# KiCad board GNSS GPS L86-M33 breakout with easyC_panel.kicad_pcb (continued)
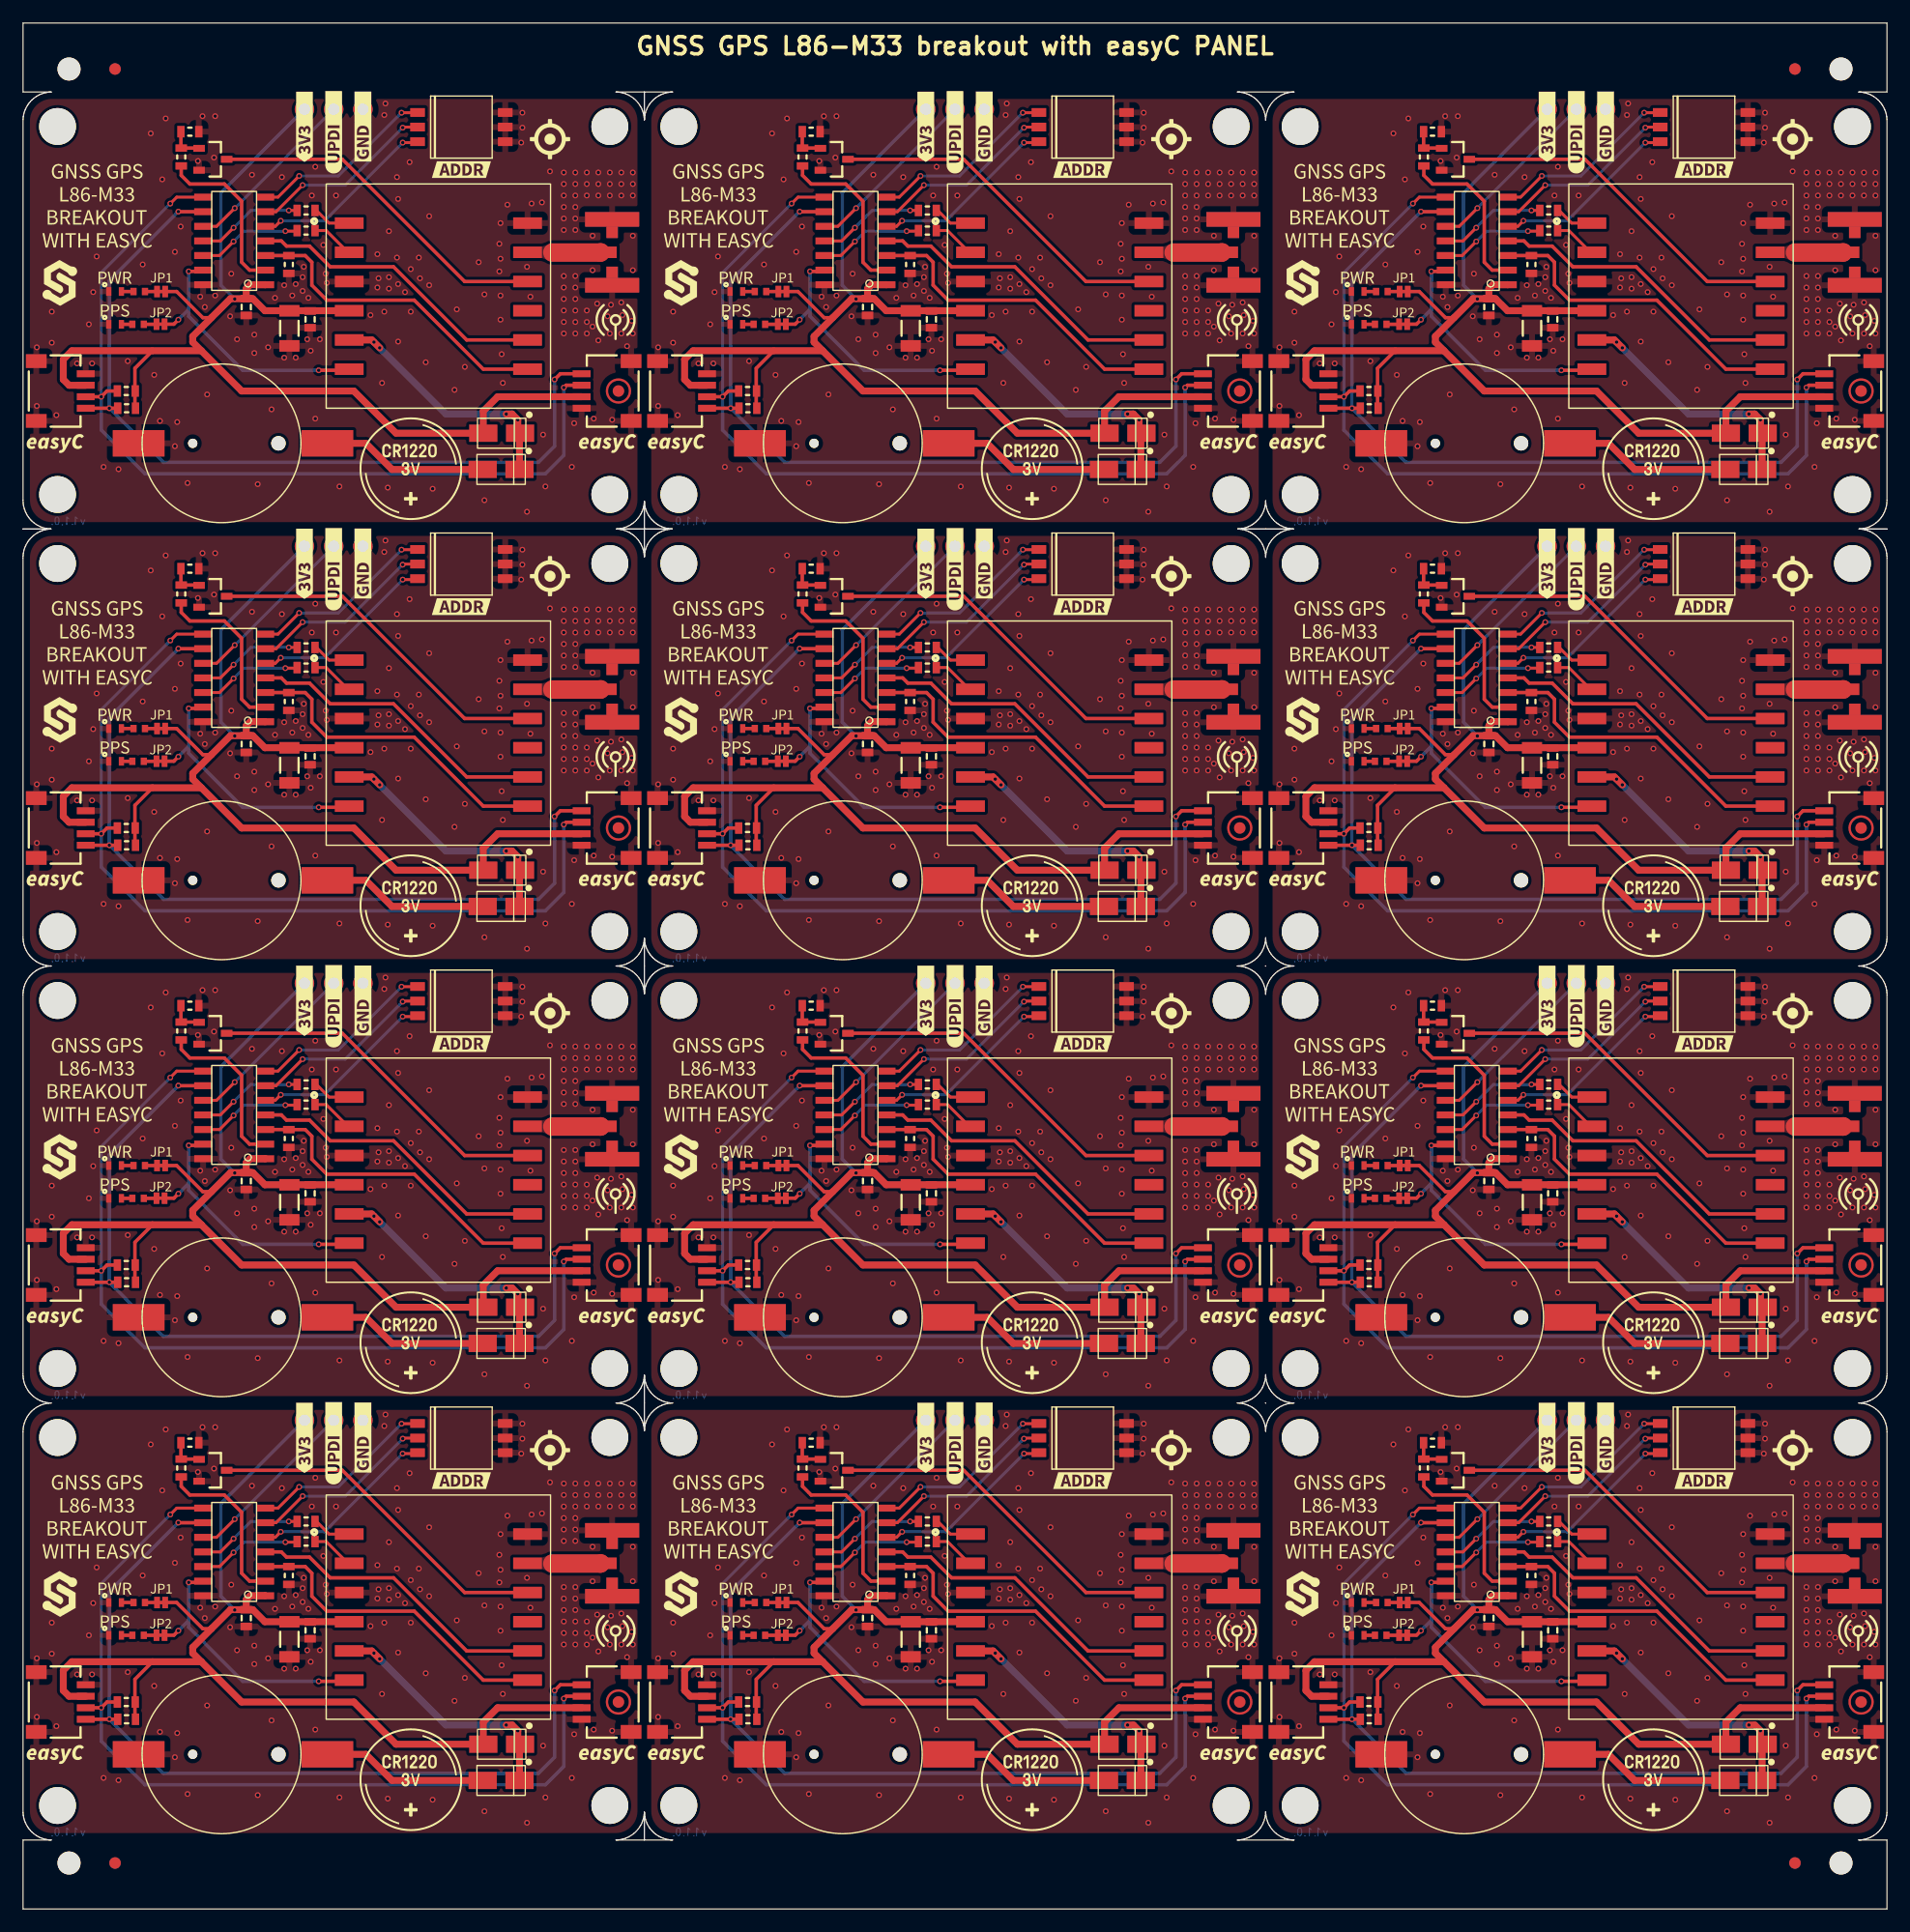
[diagram p0: board, top side]
## Routing (per net, layer and track width the routed paths; a pad name or vN(x,y) marks a point on that pad's centre or on a via; arc(x,y) is an arc through that point) (continued)
Board_8-ADD1: length 16.3
  Top w0.254: v1(140.9,80.2) 142.27,80.2 K8.1 ; U5#11.7 130.16,72.86 v1(132,74.7)
  Bottom w0.254: v1(140.9,80.2) 135.4,74.7 v1(132,74.7)
Board_8-ADD2: length 16.3
  Top w0.254: v1(132.3,73.9) 129.99,71.59 U5#11.6 ; v1(141,78.9) 141.05,78.95 K8.3
  Bottom w0.254: v1(141,78.9) 136,73.9 v1(132.3,73.9)
Board_8-ADD3: length 16.3
  Top w0.254: U5#11.5 129.92,70.32 v1(130.4,70.8) ; K8.5 142.21,77.6 v1(141,77.6)
  Bottom w0.254: v1(141,77.6) 134.2,70.8 v1(130.4,70.8)
Board_8-ANT: length 4.2
  Top w1.6: 154,68.04 158.18,68.04 K1#4.1
Board_8-ANT_DET: length 26.4
  Top w0.3: U5#11.4 130.45,69.05 130.9,68.6 132.9,68.6 134.7,66.8 140.2,66.8 146.56,60.44 U2#8.8
Board_8-FORCE_ON: length 28.1
  Top w0.3: U2#8.7 148,57.9 142,63.9 134.4,63.9 133.1,65.2 133.1,67.2 132.53,67.78 R5#8.1 131.1,67.78 U5#11.3
Board_8-GND:
  vias: v1(109.2,59.8) v1(109.2,54.7) v1(110.5,62.9) v1(110.5,60.2) v1(110.9,53.9) v1(112.7,58.4) v1(113.73,61.8) v1(114,58.4) v1(114.1,64.6) v1(114.4,67.7) v1(115,49.4) v1(116.3,49.2) v1(117.1,58.6) v1(118.4,67) v1(119.1,78.4) v1(119.4,57.4) v1(119.9,53.4) v1(120.1,74.4) v1(120.4,79.7) v1(121.2,68.1) v1(121.2,51.2) v1(121.4,53.3) v1(121.7,70.3) v1(122.3,48) v1(123.2,76) v1(123.4,64.2) v1(123.6,79.9) v1(123.8,63.3) v1(124,55.7) v1(124.6,76.3) v1(124.7,79.9) v1(124.7,64.3) v1(126,62.5) v1(126.1,66.2) v1(126.6,60.5) v1(127.9,74.8) v1(128.1,60.9) v1(128.1,59.3) v1(128.4,47.9) v1(129.3,59.8) v1(129.6,54.4) v1(129.9,64.1) v1(130.5,74.6) v1(130.7,65.2) v1(130.7,58.9) v1(131.4,64.3) v1(131.7,65.3) v1(131.7,58.9) v1(132.3,65.9) v1(132.3,64.7) v1(132.4,66.8) v1(132.7,60.5) v1(132.8,64.1) v1(133,59.5) v1(133.1,73) v1(133.4,75.5) v1(133.4,53.6) v1(133.8,60.5) v1(134.1,68.7) v1(134.3,66.2) v1(134.4,65.4) v1(135.2,73) v1(135.5,47.7) v1(138.2,62.6) v1(138.8,67.9) v1(138.8,65) v1(138.9,65.8) v1(139.2,56.7) v1(139.4,80) v1(139.4,62.9) v1(139.5,81) v1(139.7,47.6) v1(139.8,69.9) v1(139.8,65.9) v1(139.8,64.9) v1(140.5,74.6) v1(140.5,67.6) v1(140.6,72.7) v1(140.6,65.3) v1(140.6,60.3) v1(141.2,64.6) v1(141.6,75.9) v1(141.7,66.6) v1(141.7,62.9) v1(142.4,67.6) v1(142.5,65.8) v1(143,58.5) v1(143.3,71.2) v1(143.3,65.2) v1(143.6,47.5) v1(145.5,56.1) v1(145.7,63.1) v1(146.4,58.1) v1(147.6,67.2) v1(148.1,64.4) v1(148.1,46.5) v1(149.4,68.8) v1(149.4,66.4) v1(149.5,70.6) v1(149.5,67.5) v1(149.5,64.3) v1(149.5,62.2) v1(149.6,59.2) v1(149.7,56.7) v1(150.1,72.2) v1(151.3,77.6) v1(151.4,80.2) v1(151.4,78.9) v1(151.8,66.8) v1(151.8,45.5) v1(152.1,64.2) v1(152.2,72.3) v1(153.1,72.4) v1(153.2,52.2) v1(153.4,47.7) v1(153.8,75.1) v1(155,75) v1(155,74) v1(155,73) v1(155,72) v1(155,71) v1(155,70) v1(155,66) v1(155,65) v1(155,64) v1(155,63) v1(155,62) v1(155,61) v1(155.7,49.4) v1(155.9,53.2) v1(156,75) v1(156,74) v1(156,73) v1(156,72) v1(156,71) v1(156,70) v1(156,66) v1(156,65) v1(156,64) v1(156,63) v1(156,62) v1(156,61) v1(157,75) v1(157,74) v1(157,73) v1(157,63) v1(157,62) v1(157,61) v1(157.5,69.5) v1(157.5,66.5) v1(157.5,61.6) v1(157.6,53.6) v1(157.9,63.6) v1(158,75) v1(158,74) v1(158,73) v1(158,60.4) v1(158.8,62.5) v1(159,75) v1(159,74) v1(159,73) v1(159,61) v1(159.1,63.5) v1(159.2,53.5) v1(160,75) v1(160,74) v1(160,73) v1(160,63.7) v1(160,61) v1(160.1,62.6) v1(160.5,59.9) v1(160.9,62.1) v1(161,75) v1(161,74) v1(161,73) v1(161,69.5) v1(161,66.5) v1(161,61)
Board_8-Net-(D2-Pad1): length 14.4
  Top w0.6: K3#9.1+ 137.8,51.45 140.07,49.18 D2#6.1
Board_8-Net-(D3-Pad1): length 1
  Top w0.3: D3#2.1 R9#4.2
Board_8-Net-(D4-Pad1): length 0.9
  Top w0.3: D4#2.1 R10#7.2
Board_8-Net-(JP2-Pad2): length 1.1
  Top w0.3: R9#4.1 JP2#3.2
Board_8-Net-(JP4-Pad2): length 1.1
  Top w0.3: JP4#5.2 119.59,61.8 R10#7.1
Board_8-Net-(Q1-Pad1): length 3
  Top w0.3: Q1#11.1 123.28,77.13 R2#8.2 121.73,77.15 R6#12.1
Board_8-Net-(Q1-Pad3): length 30.6
  Top w0.3: Q1#11.3 135.75,76.15 146.38,65.52 U2#8.10
Board_8-Net-(R1-Pad1): length 3.8
  Top w0.254: R1#7.1 134.35,69.95 136.24,68.06 U2#8.2
Board_8-Net-(R3-Pad1): length 3.4
  Top w0.254: U2#8.1 134.6,70.6 133.5,71.7 R3#11.1
Board_8-PPS: length 23.8
  Top w0.3: U5#11.13 123.54,66.4 v1(122.4,66.4) ; v1(133.7,57.8) 136.25,57.8 U2#8.6 ; JP4#5.1 121.11,61.81 v1(121.5,62.2)
  Bottom w0.3: 122.4,63.1 v1(122.4,66.4) ; 122.4,63.1 122.4,62.5 127.1,57.8 v1(133.7,57.8) ; 122.4,63.1 v1(121.5,62.2)
Board_8-RESET: length 14.6
  Top w0.3: U5#11.2 127.69,66.51 127,67.2 127,72.5 125.5,74 122.5,74 121.75,74.75 R2#8.1
Board_8-RXD1: length 9.1
  Top w0.254: U5#11.12 125.08,67.78 v1(126.3,69) ; v1(130.8,69.9) 131.78,69.9 R1#7.2
  Bottom w0.254: v1(126.3,69) 127.2,69.9 v1(130.8,69.9)
Board_8-SCL: length 74.1
  Top w0.3: v1(121.5,71.6) 121.51,71.59 U5#11.9 ; K5#10.1 154.7,57.5 v1(154.2,57) ; K7#2.1 v1(115.5,54.5) R7#9.1
  Bottom w0.3: v1(154.2,57) 154.2,51.2 152.8,49.8 120.2,49.8 v1(115.5,54.5) 115.5,65.6 v1(121.5,71.6)
Board_8-SDA: length 78.2
  Top w0.254: v1(120.8,72.3) 121.36,72.86 U5#11.8
  Top w0.3: R4#11.1 115.3,56 v1(114.8,55.5) K7#2.2 ; v1(155,56.3) 155.2,56.5 K5#10.2
  Bottom w0.254: v1(114.8,55.5) 114.8,66.3 v1(120.8,72.3)
  Bottom w0.3: v1(155,56.3) 155,50.4 153.4,48.8 118.6,48.8 114.8,52.6 v1(114.8,55.5)
Board_8-TXD1: length 9.3
  Top w0.254: R3#11.2 v1(131.1,71.7) ; v1(126.3,70.2) 125.15,69.05 U5#11.11
  Bottom w0.254: v1(131.1,71.7) 127.8,71.7 v1(126.3,70.2)
Board_8-UPDI: length 15.6
  Top w0.254: v1(126.4,71.9) 124.82,70.32 U5#11.10
  Bottom w0.254: v1(126.4,71.9) K6#6.2
Board_8-V_BCKP: length 23.9
  Top w0.6: U2#8.5 138.31,60.44 v1(138.5,60.25) v1(139,59.75) ; v1(150,54) 150.5,54 v1(151,53.5) 151,52.53 D1#7.2 151.15,52.28 D2#6.2
  Bottom w0.6: v1(151,53.5) 150.5,54 v1(150,54) 144.75,54 v1(139,59.75) v1(138.5,60.25)
Board_9-3V3: length 104.9
  Top w0.3: 11.25,21.5 9.73,19.98 9.73,16.55 9.75,16.53 ; JP2#2.1 13.35,26.65 15.63,24.38 16.38,24.38
  Top w0.6: U5#5.1 21.04,27.25 19.75,27.25 19.4,26.9 C5#9.1 ; 15.5,21.5 4.25,21.5 3.5,20.75 3.5,19 4,18.5 K7#12.3 ; 15.5,21.5 19,18 28.75,18 32.42,14.33 D1#8.1 40,16.25 41.25,17.5 K5#6.3 ; 15.5,21.5 14.75,22.25 14.75,22.75 18.03,26.03 C5#9.1 ; C5#9.1 19.97,26.03 21.02,24.98 U2#6.4
  Bottom w0.3: v1(18.4,26) 17.2,27.2 17.2,35.24 K6#11.1
Board_9-ADD1: length 16.3
  Top w0.254: K8#6.1 34.27,42.2 v1(32.9,42.2) ; U5#5.7 22.16,34.86 v1(24,36.7)
  Bottom w0.254: v1(24,36.7) 27.4,36.7 v1(32.9,42.2)
Board_9-ADD2: length 16.3
  Top w0.254: v1(24.3,35.9) 21.99,33.59 U5#5.6 ; K8#6.3 33.05,40.95 v1(33,40.9)
  Bottom w0.254: v1(24.3,35.9) 28,35.9 v1(33,40.9)
Board_9-ADD3: length 16.3
  Top w0.254: U5#5.5 21.92,32.32 v1(22.4,32.8) ; K8#6.5 34.21,39.6 v1(33,39.6)
  Bottom w0.254: v1(22.4,32.8) 26.2,32.8 v1(33,39.6)
Board_9-ANT: length 4.2
  Top w1.6: K1#9.1 50.18,30.04 46,30.04
Board_9-ANT_DET: length 26.4
  Top w0.3: U5#5.4 22.45,31.05 22.9,30.6 24.9,30.6 26.7,28.8 32.2,28.8 38.56,22.44 U2#6.8
Board_9-FORCE_ON: length 28.1
  Top w0.3: U5#5.3 23.1,29.78 R5#7.1 24.53,29.78 25.1,29.2 25.1,27.2 26.4,25.9 34,25.9 40,19.9 U2#6.7
Board_9-GND:
  vias: v1(1.2,21.8) v1(1.2,16.7) v1(2.5,24.9) v1(2.5,22.2) v1(2.9,15.9) v1(4.7,20.4) v1(5.73,23.8) v1(6,20.4) v1(6.1,26.6) v1(6.4,29.7) v1(7,11.4) v1(8.3,11.2) v1(9.1,20.6) v1(10.4,29) v1(11.1,40.4) v1(11.4,19.4) v1(11.9,15.4) v1(12.1,36.4) v1(12.4,41.7) v1(13.2,30.1) v1(13.2,13.2) v1(13.4,15.3) v1(13.7,32.3) v1(14.3,10) v1(15.2,38) v1(15.4,26.2) v1(15.6,41.9) v1(15.8,25.3) v1(16,17.7) v1(16.6,38.3) v1(16.7,41.9) v1(16.7,26.3) v1(18,24.5) v1(18.1,28.2) v1(18.6,22.5) v1(19.9,36.8) v1(20.1,22.9) v1(20.1,21.3) v1(20.4,9.9) v1(21.3,21.8) v1(21.6,16.4) v1(21.9,26.1) v1(22.5,36.6) v1(22.7,27.2) v1(22.7,20.9) v1(23.4,26.3) v1(23.7,27.3) v1(23.7,20.9) v1(24.3,27.9) v1(24.3,26.7) v1(24.4,28.8) v1(24.7,22.5) v1(24.8,26.1) v1(25,21.5) v1(25.1,35) v1(25.4,37.5) v1(25.4,15.6) v1(25.8,22.5) v1(26.1,30.7) v1(26.3,28.2) v1(26.4,27.4) v1(27.2,35) v1(27.5,9.7) v1(30.2,24.6) v1(30.8,29.9) v1(30.8,27) v1(30.9,27.8) v1(31.2,18.7) v1(31.4,42) v1(31.4,24.9) v1(31.5,43) v1(31.7,9.6) v1(31.8,31.9) v1(31.8,27.9) v1(31.8,26.9) v1(32.5,36.6) v1(32.5,29.6) v1(32.6,34.7) v1(32.6,27.3) v1(32.6,22.3) v1(33.2,26.6) v1(33.6,37.9) v1(33.7,28.6) v1(33.7,24.9) v1(34.4,29.6) v1(34.5,27.8) v1(35,20.5) v1(35.3,33.2) v1(35.3,27.2) v1(35.6,9.5) v1(37.5,18.1) v1(37.7,25.1) v1(38.4,20.1) v1(39.6,29.2) v1(40.1,26.4) v1(40.1,8.5) v1(41.4,30.8) v1(41.4,28.4) v1(41.5,32.6) v1(41.5,29.5) v1(41.5,26.3) v1(41.5,24.2) v1(41.6,21.2) v1(41.7,18.7) v1(42.1,34.2) v1(43.3,39.6) v1(43.4,42.2) v1(43.4,40.9) v1(43.8,28.8) v1(43.8,7.5) v1(44.1,26.2) v1(44.2,34.3) v1(45.1,34.4) v1(45.2,14.2) v1(45.4,9.7) v1(45.8,37.1) v1(47,37) v1(47,36) v1(47,35) v1(47,34) v1(47,33) v1(47,32) v1(47,28) v1(47,27) v1(47,26) v1(47,25) v1(47,24) v1(47,23) v1(47.7,11.4) v1(47.9,15.2) v1(48,37) v1(48,36) v1(48,35) v1(48,34) v1(48,33) v1(48,32) v1(48,28) v1(48,27) v1(48,26) v1(48,25) v1(48,24) v1(48,23) v1(49,37) v1(49,36) v1(49,35) v1(49,25) v1(49,24) v1(49,23) v1(49.5,31.5) v1(49.5,28.5) v1(49.5,23.6) v1(49.6,15.6) v1(49.9,25.6) v1(50,37) v1(50,36) v1(50,35) v1(50,22.4) v1(50.8,24.5) v1(51,37) v1(51,36) v1(51,35) v1(51,23) v1(51.1,25.5) v1(51.2,15.5) v1(52,37) v1(52,36) v1(52,35) v1(52,25.7) v1(52,23) v1(52.1,24.6) v1(52.5,21.9) v1(52.9,24.1) v1(53,37) v1(53,36) v1(53,35) v1(53,31.5) v1(53,28.5) v1(53,23)
Board_9-Net-(D2-Pad1): length 14.4
  Top w0.6: K3#8.1+ 29.8,13.45 32.07,11.18 D2#12.1
Board_9-Net-(D3-Pad1): length 1.1
  Top w0.3: D3#9.1 R9.2
Board_9-Net-(D4-Pad1): length 0.9
  Top w0.3: D4#5.1 R10#8.2
Board_9-Net-(JP2-Pad2): length 1
  Top w0.3: R9.1 JP2#2.2
Board_9-Net-(JP4-Pad2): length 1.1
  Top w0.3: JP4#12.2 11.59,23.8 R10#8.1
Board_9-Net-(Q1-Pad1): length 3
  Top w0.3: R6.1 13.73,39.15 R2#12.2 15.28,39.12 Q1#7.1
Board_9-Net-(Q1-Pad3): length 30.6
  Top w0.3: Q1#7.3 27.75,38.15 38.38,27.52 U2#6.10
Board_9-Net-(R1-Pad1): length 3.8
  Top w0.254: R1#3.1 26.35,31.95 28.24,30.06 U2#6.2
Board_9-Net-(R3-Pad1): length 3.4
  Top w0.254: U2#6.1 26.6,32.6 25.5,33.7 R3#7.1
Board_9-PPS: length 23.8
  Top w0.3: v1(25.7,19.8) 28.25,19.8 U2#6.6 ; v1(13.5,24.2) 13.11,23.81 JP4#12.1 ; U5#5.13 15.54,28.4 v1(14.4,28.4)
  Bottom w0.3: 14.4,25.1 14.4,24.5 19.1,19.8 v1(25.7,19.8) ; 14.4,25.1 v1(13.5,24.2) ; 14.4,25.1 v1(14.4,28.4)
Board_9-RESET: length 14.6
  Top w0.3: R2#12.1 13.75,36.75 14.5,36 17.5,36 19,34.5 19,29.2 19.69,28.51 U5#5.2
Board_9-RXD1: length 9.1
  Top w0.254: v1(18.3,31) 17.08,29.78 U5#5.12 ; v1(22.8,31.9) 23.78,31.9 R1#3.2
  Bottom w0.254: v1(18.3,31) 19.2,31.9 v1(22.8,31.9)
Board_9-SCL: length 74.1
  Top w0.3: U5#5.9 13.51,33.59 v1(13.5,33.6) ; v1(46.2,19) 46.7,19.5 K5#6.1 ; K7#12.1 v1(7.5,16.5) R7#5.1
  Bottom w0.3: v1(13.5,33.6) 7.5,27.6 v1(7.5,16.5) 12.2,11.8 44.8,11.8 46.2,13.2 v1(46.2,19)
Board_9-SDA: length 78.2
  Top w0.254: v1(12.8,34.3) 13.36,34.86 U5#5.8
  Top w0.3: K7#12.2 v1(6.8,17.5) 7.3,18 R4#7.1 ; v1(47,18.3) 47.2,18.5 K5#6.2
  Bottom w0.254: v1(6.8,17.5) 6.8,28.3 v1(12.8,34.3)
  Bottom w0.3: v1(47,18.3) 47,12.4 45.4,10.8 10.6,10.8 6.8,14.6 v1(6.8,17.5)
Board_9-TXD1: length 9.3
  Top w0.254: U5#5.11 17.15,31.05 v1(18.3,32.2) ; R3#7.2 v1(23.1,33.7)
  Bottom w0.254: v1(23.1,33.7) 19.8,33.7 v1(18.3,32.2)
Board_9-UPDI: length 15.6
  Top w0.254: U5#5.10 16.82,32.32 v1(18.4,33.9)
  Bottom w0.254: v1(18.4,33.9) K6#11.2
Board_9-V_BCKP: length 23.9
  Top w0.6: v1(42,16) 42.5,16 v1(43,15.5) 43,14.53 D1#8.2 43.15,14.28 D2#12.2 ; U2#6.5 30.31,22.44 v1(30.5,22.25) v1(31,21.75)
  Bottom w0.6: v1(30.5,22.25) v1(31,21.75) 36.75,16 v1(42,16) 42.5,16 v1(43,15.5)
Board_10-3V3: length 104.9
  Top w0.3: JP2#12.1 67.35,26.65 69.63,24.38 70.38,24.38 ; 65.25,21.5 63.73,19.98 63.73,16.55 63.75,16.53
  Top w0.6: U5#8.1 75.04,27.25 73.75,27.25 73.4,26.9 C5.1 ; K7#10.3 58,18.5 57.5,19 57.5,20.75 58.25,21.5 69.5,21.5 ; U2#12.4 75.02,24.98 73.97,26.03 C5.1 ; C5.1 72.03,26.03 68.75,22.75 68.75,22.25 69.5,21.5 ; 69.5,21.5 73,18 82.75,18 86.42,14.33 D1#12.1 94,16.25 95.25,17.5 K5#4.3
  Bottom w0.3: v1(72.4,26) 71.2,27.2 71.2,35.24 K6#12.1
Board_10-ADD1: length 16.3
  Top w0.254: U5#8.7 76.16,34.86 v1(78,36.7) ; v1(86.9,42.2) 88.27,42.2 K8#12.1
  Bottom w0.254: v1(78,36.7) 81.4,36.7 v1(86.9,42.2)
Board_10-ADD2: length 16.3
  Top w0.254: U5#8.6 75.99,33.59 v1(78.3,35.9) ; v1(87,40.9) 87.05,40.95 K8#12.3
  Bottom w0.254: v1(78.3,35.9) 82,35.9 v1(87,40.9)
Board_10-ADD3: length 16.3
  Top w0.254: v1(87,39.6) 88.21,39.6 K8#12.5 ; v1(76.4,32.8) 75.92,32.32 U5#8.5
  Bottom w0.254: v1(87,39.6) 80.2,32.8 v1(76.4,32.8)
Board_10-ANT: length 4.2
  Top w1.6: 100,30.04 104.18,30.04 K1#7.1
Board_10-ANT_DET: length 26.4
  Top w0.3: U5#8.4 76.45,31.05 76.9,30.6 78.9,30.6 80.7,28.8 86.2,28.8 92.56,22.44 U2#12.8
Board_10-FORCE_ON: length 28.1
  Top w0.3: U5#8.3 77.1,29.78 R5#9.1 78.53,29.78 79.1,29.2 79.1,27.2 80.4,25.9 88,25.9 94,19.9 U2#12.7
Board_10-GND:
  vias: v1(55.2,21.8) v1(55.2,16.7) v1(56.5,24.9) v1(56.5,22.2) v1(56.9,15.9) v1(58.7,20.4) v1(59.73,23.8) v1(60,20.4) v1(60.1,26.6) v1(60.4,29.7) v1(61,11.4) v1(62.3,11.2) v1(63.1,20.6) v1(64.4,29) v1(65.1,40.4) v1(65.4,19.4) v1(65.9,15.4) v1(66.1,36.4) v1(66.4,41.7) v1(67.2,30.1) v1(67.2,13.2) v1(67.4,15.3) v1(67.7,32.3) v1(68.3,10) v1(69.2,38) v1(69.4,26.2) v1(69.6,41.9) v1(69.8,25.3) v1(70,17.7) v1(70.6,38.3) v1(70.7,41.9) v1(70.7,26.3) v1(72,24.5) v1(72.1,28.2) v1(72.6,22.5) v1(73.9,36.8) v1(74.1,22.9) v1(74.1,21.3) v1(74.4,9.9) v1(75.3,21.8) v1(75.6,16.4) v1(75.9,26.1) v1(76.5,36.6) v1(76.7,27.2) v1(76.7,20.9) v1(77.4,26.3) v1(77.7,27.3) v1(77.7,20.9) v1(78.3,27.9) v1(78.3,26.7) v1(78.4,28.8) v1(78.7,22.5) v1(78.8,26.1) v1(79,21.5) v1(79.1,35) v1(79.4,37.5) v1(79.4,15.6) v1(79.8,22.5) v1(80.1,30.7) v1(80.3,28.2) v1(80.4,27.4) v1(81.2,35) v1(81.5,9.7) v1(84.2,24.6) v1(84.8,29.9) v1(84.8,27) v1(84.9,27.8) v1(85.2,18.7) v1(85.4,42) v1(85.4,24.9) v1(85.5,43) v1(85.7,9.6) v1(85.8,31.9) v1(85.8,27.9) v1(85.8,26.9) v1(86.5,36.6) v1(86.5,29.6) v1(86.6,34.7) v1(86.6,27.3) v1(86.6,22.3) v1(87.2,26.6) v1(87.6,37.9) v1(87.7,28.6) v1(87.7,24.9) v1(88.4,29.6) v1(88.5,27.8) v1(89,20.5) v1(89.3,33.2) v1(89.3,27.2) v1(89.6,9.5) v1(91.5,18.1) v1(91.7,25.1) v1(92.4,20.1) v1(93.6,29.2) v1(94.1,26.4) v1(94.1,8.5) v1(95.4,30.8) v1(95.4,28.4) v1(95.5,32.6) v1(95.5,29.5) v1(95.5,26.3) v1(95.5,24.2) v1(95.6,21.2) v1(95.7,18.7) v1(96.1,34.2) v1(97.3,39.6) v1(97.4,42.2) v1(97.4,40.9) v1(97.8,28.8) v1(97.8,7.5) v1(98.1,26.2) v1(98.2,34.3) v1(99.1,34.4) v1(99.2,14.2) v1(99.4,9.7) v1(99.8,37.1) v1(101,37) v1(101,36) v1(101,35) v1(101,34) v1(101,33) v1(101,32) v1(101,28) v1(101,27) v1(101,26) v1(101,25) v1(101,24) v1(101,23) v1(101.7,11.4) v1(101.9,15.2) v1(102,37) v1(102,36) v1(102,35) v1(102,34) v1(102,33) v1(102,32) v1(102,28) v1(102,27) v1(102,26) v1(102,25) v1(102,24) v1(102,23) v1(103,37) v1(103,36) v1(103,35) v1(103,25) v1(103,24) v1(103,23) v1(103.5,31.5) v1(103.5,28.5) v1(103.5,23.6) v1(103.6,15.6) v1(103.9,25.6) v1(104,37) v1(104,36) v1(104,35) v1(104,22.4) v1(104.8,24.5) v1(105,37) v1(105,36) v1(105,35) v1(105,23) v1(105.1,25.5) v1(105.2,15.5) v1(106,37) v1(106,36) v1(106,35) v1(106,25.7) v1(106,23) v1(106.1,24.6) v1(106.5,21.9) v1(106.9,24.1) v1(107,37) v1(107,36) v1(107,35) v1(107,31.5) v1(107,28.5) v1(107,23)
Board_10-Net-(D2-Pad1): length 14.4
  Top w0.6: D2#5.1 86.07,11.18 83.8,13.45 K3#5.1+
Board_10-Net-(D3-Pad1): length 1
  Top w0.3: D3#10.1 R9#10.2
Board_10-Net-(D4-Pad1): length 1
  Top w0.3: D4#10.1 R10#6.2
Board_10-Net-(JP2-Pad2): length 1
  Top w0.3: R9#10.1 JP2#12.2
Board_10-Net-(JP4-Pad2): length 1.1
  Top w0.3: R10#6.1 65.59,23.8 JP4#4.2
Board_10-Net-(Q1-Pad1): length 3
  Top w0.3: Q1#9.1 69.28,39.12 R2#4.2 67.73,39.15 R6#6.1
Board_10-Net-(Q1-Pad3): length 30.6
  Top w0.3: U2#12.10 92.38,27.52 81.75,38.15 Q1#9.3
Board_10-Net-(R1-Pad1): length 3.8
  Top w0.254: R1#4.1 80.35,31.95 82.24,30.06 U2#12.2
Board_10-Net-(R3-Pad1): length 3.4
  Top w0.254: U2#12.1 80.6,32.6 79.5,33.7 R3#3.1
Board_10-PPS: length 23.8
  Top w0.3: U2#12.6 82.25,19.8 v1(79.7,19.8) ; v1(68.4,28.4) 69.54,28.4 U5#8.13 ; JP4#4.1 67.11,23.81 v1(67.5,24.2)
  Bottom w0.3: 68.4,25.1 68.4,24.5 73.1,19.8 v1(79.7,19.8) ; 68.4,25.1 v1(68.4,28.4) ; 68.4,25.1 v1(67.5,24.2)
Board_10-RESET: length 14.6
  Top w0.3: U5#8.2 73.69,28.51 73,29.2 73,34.5 71.5,36 68.5,36 67.75,36.75 R2#4.1
Board_10-RXD1: length 9.1
  Top w0.254: v1(76.8,31.9) 77.78,31.9 R1#4.2 ; v1(72.3,31) 71.08,29.78 U5#8.12
  Bottom w0.254: v1(72.3,31) 73.2,31.9 v1(76.8,31.9)
Board_10-SCL: length 74.1
  Top w0.3: v1(100.2,19) 100.7,19.5 K5#4.1 ; v1(67.5,33.6) 67.51,33.59 U5#8.9 ; R7#2.1 v1(61.5,16.5) K7#10.1
  Bottom w0.3: v1(67.5,33.6) 61.5,27.6 v1(61.5,16.5) 66.2,11.8 98.8,11.8 100.2,13.2 v1(100.2,19)
Board_10-SDA: length 78.2
  Top w0.254: U5#8.8 67.36,34.86 v1(66.8,34.3)
  Top w0.3: K5#4.2 101.2,18.5 v1(101,18.3) ; R4#5.1 61.3,18 v1(60.8,17.5) K7#10.2
  Bottom w0.254: v1(60.8,17.5) 60.8,28.3 v1(66.8,34.3)
  Bottom w0.3: v1(60.8,17.5) 60.8,14.6 64.6,10.8 99.4,10.8 101,12.4 v1(101,18.3)
Board_10-TXD1: length 9.3
  Top w0.254: R3#3.2 v1(77.1,33.7) ; v1(72.3,32.2) 71.15,31.05 U5#8.11
  Bottom w0.254: v1(77.1,33.7) 73.8,33.7 v1(72.3,32.2)
Board_10-UPDI: length 15.6
  Top w0.254: U5#8.10 70.82,32.32 v1(72.4,33.9)
  Bottom w0.254: v1(72.4,33.9) K6#12.2
Board_10-V_BCKP: length 23.9
  Top w0.6: U2#12.5 84.31,22.44 v1(84.5,22.25) v1(85,21.75) ; v1(96,16) 96.5,16 v1(97,15.5) 97,14.53 D1#12.2 97.15,14.28 D2#5.2
  Bottom w0.6: v1(97,15.5) 96.5,16 v1(96,16) 90.75,16 v1(85,21.75) v1(84.5,22.25)
Board_11-3V3: length 104.9
  Top w0.3: JP2.1 121.35,26.65 123.63,24.38 124.38,24.38 ; 119.25,21.5 117.73,19.98 117.73,16.55 117.75,16.53
  Top w0.6: 123.5,21.5 122.75,22.25 122.75,22.75 126.03,26.03 C5#8.1 ; 123.5,21.5 112.25,21.5 111.5,20.75 111.5,19 112,18.5 K7#7.3 ; 123.5,21.5 127,18 136.75,18 140.42,14.33 D1#5.1 148,16.25 149.25,17.5 K5#3.3 ; U5#7.1 129.04,27.25 127.75,27.25 127.4,26.9 C5#8.1 ; C5#8.1 127.97,26.03 129.02,24.98 U2#4.4
  Bottom w0.3: K6#8.1 125.2,35.24 125.2,27.2 v1(126.4,26)
Board_11-ADD1: length 16.3
  Top w0.254: v1(140.9,42.2) 142.27,42.2 K8#5.1 ; U5#7.7 130.16,34.86 v1(132,36.7)
  Bottom w0.254: v1(140.9,42.2) 135.4,36.7 v1(132,36.7)
Board_11-ADD2: length 16.3
  Top w0.254: K8#5.3 141.05,40.95 v1(141,40.9) ; v1(132.3,35.9) 129.99,33.59 U5#7.6
  Bottom w0.254: v1(141,40.9) 136,35.9 v1(132.3,35.9)
Board_11-ADD3: length 16.3
  Top w0.254: K8#5.5 142.21,39.6 v1(141,39.6) ; U5#7.5 129.92,32.32 v1(130.4,32.8)
  Bottom w0.254: v1(141,39.6) 134.2,32.8 v1(130.4,32.8)
Board_11-ANT: length 4.2
  Top w1.6: K1#2.1 158.18,30.04 154,30.04
Board_11-ANT_DET: length 26.4
  Top w0.3: U5#7.4 130.45,31.05 130.9,30.6 132.9,30.6 134.7,28.8 140.2,28.8 146.56,22.44 U2#4.8
Board_11-FORCE_ON: length 28.1
  Top w0.3: U5#7.3 131.1,29.78 R5#4.1 132.53,29.78 133.1,29.2 133.1,27.2 134.4,25.9 142,25.9 148,19.9 U2#4.7
Board_11-GND:
  vias: v1(109.2,21.8) v1(109.2,16.7) v1(110.5,24.9) v1(110.5,22.2) v1(110.9,15.9) v1(112.7,20.4) v1(113.73,23.8) v1(114,20.4) v1(114.1,26.6) v1(114.4,29.7) v1(115,11.4) v1(116.3,11.2) v1(117.1,20.6) v1(118.4,29) v1(119.1,40.4) v1(119.4,19.4) v1(119.9,15.4) v1(120.1,36.4) v1(120.4,41.7) v1(121.2,30.1) v1(121.2,13.2) v1(121.4,15.3) v1(121.7,32.3) v1(122.3,10) v1(123.2,38) v1(123.4,26.2) v1(123.6,41.9) v1(123.8,25.3) v1(124,17.7) v1(124.6,38.3) v1(124.7,41.9) v1(124.7,26.3) v1(126,24.5) v1(126.1,28.2) v1(126.6,22.5) v1(127.9,36.8) v1(128.1,22.9) v1(128.1,21.3) v1(128.4,9.9) v1(129.3,21.8) v1(129.6,16.4) v1(129.9,26.1) v1(130.5,36.6) v1(130.7,27.2) v1(130.7,20.9) v1(131.4,26.3) v1(131.7,27.3) v1(131.7,20.9) v1(132.3,27.9) v1(132.3,26.7) v1(132.4,28.8) v1(132.7,22.5) v1(132.8,26.1) v1(133,21.5) v1(133.1,35) v1(133.4,37.5) v1(133.4,15.6) v1(133.8,22.5) v1(134.1,30.7) v1(134.3,28.2) v1(134.4,27.4) v1(135.2,35) v1(135.5,9.7) v1(138.2,24.6) v1(138.8,29.9) v1(138.8,27) v1(138.9,27.8) v1(139.2,18.7) v1(139.4,42) v1(139.4,24.9) v1(139.5,43) v1(139.7,9.6) v1(139.8,31.9) v1(139.8,27.9) v1(139.8,26.9) v1(140.5,36.6) v1(140.5,29.6) v1(140.6,34.7) v1(140.6,27.3) v1(140.6,22.3) v1(141.2,26.6) v1(141.6,37.9) v1(141.7,28.6) v1(141.7,24.9) v1(142.4,29.6) v1(142.5,27.8) v1(143,20.5) v1(143.3,33.2) v1(143.3,27.2) v1(143.6,9.5) v1(145.5,18.1) v1(145.7,25.1) v1(146.4,20.1) v1(147.6,29.2) v1(148.1,26.4) v1(148.1,8.5) v1(149.4,30.8) v1(149.4,28.4) v1(149.5,32.6) v1(149.5,29.5) v1(149.5,26.3) v1(149.5,24.2) v1(149.6,21.2) v1(149.7,18.7) v1(150.1,34.2) v1(151.3,39.6) v1(151.4,42.2) v1(151.4,40.9) v1(151.8,28.8) v1(151.8,7.5) v1(152.1,26.2) v1(152.2,34.3) v1(153.1,34.4) v1(153.2,14.2) v1(153.4,9.7) v1(153.8,37.1) v1(155,37) v1(155,36) v1(155,35) v1(155,34) v1(155,33) v1(155,32) v1(155,28) v1(155,27) v1(155,26) v1(155,25) v1(155,24) v1(155,23) v1(155.7,11.4) v1(155.9,15.2) v1(156,37) v1(156,36) v1(156,35) v1(156,34) v1(156,33) v1(156,32) v1(156,28) v1(156,27) v1(156,26) v1(156,25) v1(156,24) v1(156,23) v1(157,37) v1(157,36) v1(157,35) v1(157,25) v1(157,24) v1(157,23) v1(157.5,31.5) v1(157.5,28.5) v1(157.5,23.6) v1(157.6,15.6) v1(157.9,25.6) v1(158,37) v1(158,36) v1(158,35) v1(158,22.4) v1(158.8,24.5) v1(159,37) v1(159,36) v1(159,35) v1(159,23) v1(159.1,25.5) v1(159.2,15.5) v1(160,37) v1(160,36) v1(160,35) v1(160,25.7) v1(160,23) v1(160.1,24.6) v1(160.5,21.9) v1(160.9,24.1) v1(161,37) v1(161,36) v1(161,35) v1(161,31.5) v1(161,28.5) v1(161,23)
Board_11-Net-(D2-Pad1): length 14.4
  Top w0.6: D2#7.1 140.07,11.18 137.8,13.45 K3#10.1+
Board_11-Net-(D3-Pad1): length 1
  Top w0.3: D3#5.1 R9#11.2
Board_11-Net-(D4-Pad1): length 0.9
  Top w0.3: D4#6.1 R10#2.2
Board_11-Net-(JP2-Pad2): length 1.1
  Top w0.3: R9#11.1 JP2.2
Board_11-Net-(JP4-Pad2): length 1.1
  Top w0.3: R10#2.1 119.59,23.8 JP4#8.2
Board_11-Net-(Q1-Pad1): length 3
  Top w0.3: R6#7.1 121.73,39.15 R2#11.2 123.28,39.12 Q1#2.1
Board_11-Net-(Q1-Pad3): length 30.6
  Top w0.3: U2#4.10 146.38,27.52 135.75,38.15 Q1#2.3
Board_11-Net-(R1-Pad1): length 3.8
  Top w0.254: R1#6.1 134.35,31.95 136.24,30.06 U2#4.2
Board_11-Net-(R3-Pad1): length 3.4
  Top w0.254: U2#4.1 134.6,32.6 133.5,33.7 R3#4.1
Board_11-PPS: length 23.8
  Top w0.3: v1(133.7,19.8) 136.25,19.8 U2#4.6 ; v1(122.4,28.4) 123.54,28.4 U5#7.13 ; JP4#8.1 121.11,23.81 v1(121.5,24.2)
  Bottom w0.3: 122.4,25.1 v1(122.4,28.4) ; 122.4,25.1 122.4,24.5 127.1,19.8 v1(133.7,19.8) ; 122.4,25.1 v1(121.5,24.2)
Board_11-RESET: length 14.6
  Top w0.3: U5#7.2 127.69,28.51 127,29.2 127,34.5 125.5,36 122.5,36 121.75,36.75 R2#11.1
Board_11-RXD1: length 9.1
  Top w0.254: U5#7.12 125.08,29.78 v1(126.3,31) ; R1#6.2 131.78,31.9 v1(130.8,31.9)
  Bottom w0.254: v1(126.3,31) 127.2,31.9 v1(130.8,31.9)
Board_11-SCL: length 74.1
  Top w0.3: K7#7.1 v1(115.5,16.5) R7#6.1 ; v1(121.5,33.6) 121.51,33.59 U5#7.9 ; K5#3.1 154.7,19.5 v1(154.2,19)
  Bottom w0.3: v1(121.5,33.6) 115.5,27.6 v1(115.5,16.5) 120.2,11.8 152.8,11.8 154.2,13.2 v1(154.2,19)
Board_11-SDA: length 78.2
  Top w0.254: U5#7.8 121.36,34.86 v1(120.8,34.3)
  Top w0.3: K5#3.2 155.2,18.5 v1(155,18.3) ; R4#9.1 115.3,18 v1(114.8,17.5) K7#7.2
  Bottom w0.254: v1(120.8,34.3) 114.8,28.3 v1(114.8,17.5)
  Bottom w0.3: v1(114.8,17.5) 114.8,14.6 118.6,10.8 153.4,10.8 155,12.4 v1(155,18.3)
Board_11-TXD1: length 9.3
  Top w0.254: v1(126.3,32.2) 125.15,31.05 U5#7.11 ; R3#4.2 v1(131.1,33.7)
  Bottom w0.254: v1(126.3,32.2) 127.8,33.7 v1(131.1,33.7)
Board_11-UPDI: length 15.6
  Top w0.254: v1(126.4,33.9) 124.82,32.32 U5#7.10
  Bottom w0.254: v1(126.4,33.9) K6#8.2
Board_11-V_BCKP: length 23.9
  Top w0.6: D2#7.2 151.15,14.28 D1#5.2 151,14.53 v1(151,15.5) 150.5,16 v1(150,16) ; U2#4.5 138.31,22.44 v1(138.5,22.25) v1(139,21.75)
  Bottom w0.6: v1(138.5,22.25) v1(139,21.75) 144.75,16 v1(150,16) 150.5,16 v1(151,15.5)

## Copper pours and planes (outline as drawn; the poured copper is in the pictures)
Board_0-ANT on Top: 45.99,143.24 45.1,143.56 42.6,143.56 42.6,144.56 45.1,144.56 45.99,144.84
Board_0-GND on Top, Bottom: 54,120 0,120 0,158 54,158
Board_1-ANT on Top: 99.99,143.24 99.1,143.56 96.6,143.56 96.6,144.56 99.1,144.56 99.99,144.84
Board_1-GND on Top, Bottom: 108,120 54,120 54,158 108,158
Board_2-ANT on Top: 153.99,143.24 153.1,143.56 150.6,143.56 150.6,144.56 153.1,144.56 153.99,144.84
Board_2-GND on Top, Bottom: 162,120 108,120 108,158 162,158
Board_3-ANT on Top: 45.99,105.24 45.1,105.56 42.6,105.56 42.6,106.56 45.1,106.56 45.99,106.84
Board_3-GND on Top, Bottom: 54,82 0,82 0,120 54,120
Board_4-ANT on Top: 99.99,105.24 99.1,105.56 96.6,105.56 96.6,106.56 99.1,106.56 99.99,106.84
Board_4-GND on Top, Bottom: 108,82 54,82 54,120 108,120
Board_5-ANT on Top: 153.99,105.24 153.1,105.56 150.6,105.56 150.6,106.56 153.1,106.56 153.99,106.84
Board_5-GND on Top, Bottom: 162,82 108,82 108,120 162,120
Board_6-ANT on Top: 45.99,67.24 45.1,67.56 42.6,67.56 42.6,68.56 45.1,68.56 45.99,68.84
Board_6-GND on Top, Bottom: 54,44 0,44 0,82 54,82
Board_7-ANT on Top: 99.99,67.24 99.1,67.56 96.6,67.56 96.6,68.56 99.1,68.56 99.99,68.84
Board_7-GND on Top, Bottom: 108,44 54,44 54,82 108,82
Board_8-ANT on Top: 153.99,67.24 153.1,67.56 150.6,67.56 150.6,68.56 153.1,68.56 153.99,68.84
Board_8-GND on Top, Bottom: 162,44 108,44 108,82 162,82
Board_9-ANT on Top: 45.99,29.24 45.1,29.56 42.6,29.56 42.6,30.56 45.1,30.56 45.99,30.84
Board_9-GND on Top, Bottom: 54,6 0,6 0,44 54,44
Board_10-ANT on Top: 99.99,29.24 99.1,29.56 96.6,29.56 96.6,30.56 99.1,30.56 99.99,30.84
Board_10-GND on Top, Bottom: 108,6 54,6 54,44 108,44
Board_11-ANT on Top: 153.99,29.24 153.1,29.56 150.6,29.56 150.6,30.56 153.1,30.56 153.99,30.84
Board_11-GND on Top, Bottom: 162,6 108,6 108,44 162,44

## Text on the board
F.Silkscreen: GNSS GPS L86-M33 breakout with easyC PANEL
User.8: V-CUT
